# KiCad board tida_010057_imported.kicad_pcb
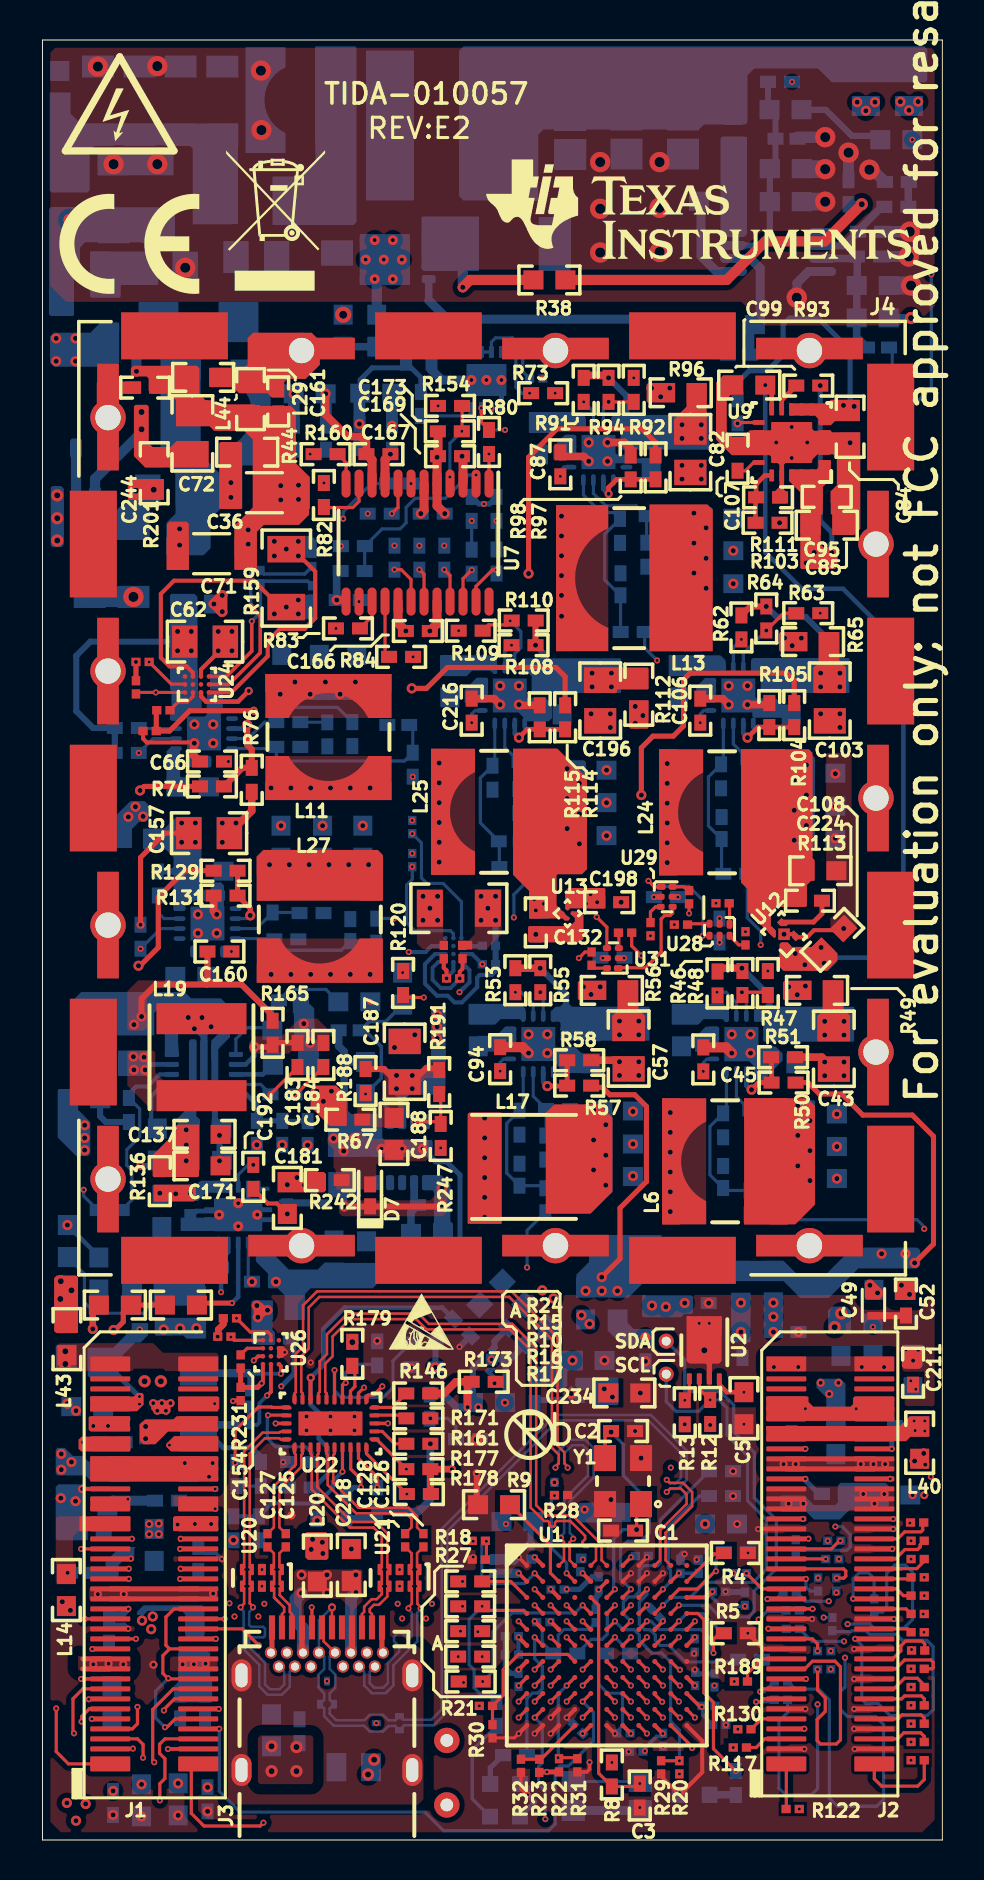
[diagram p0: board, top side]
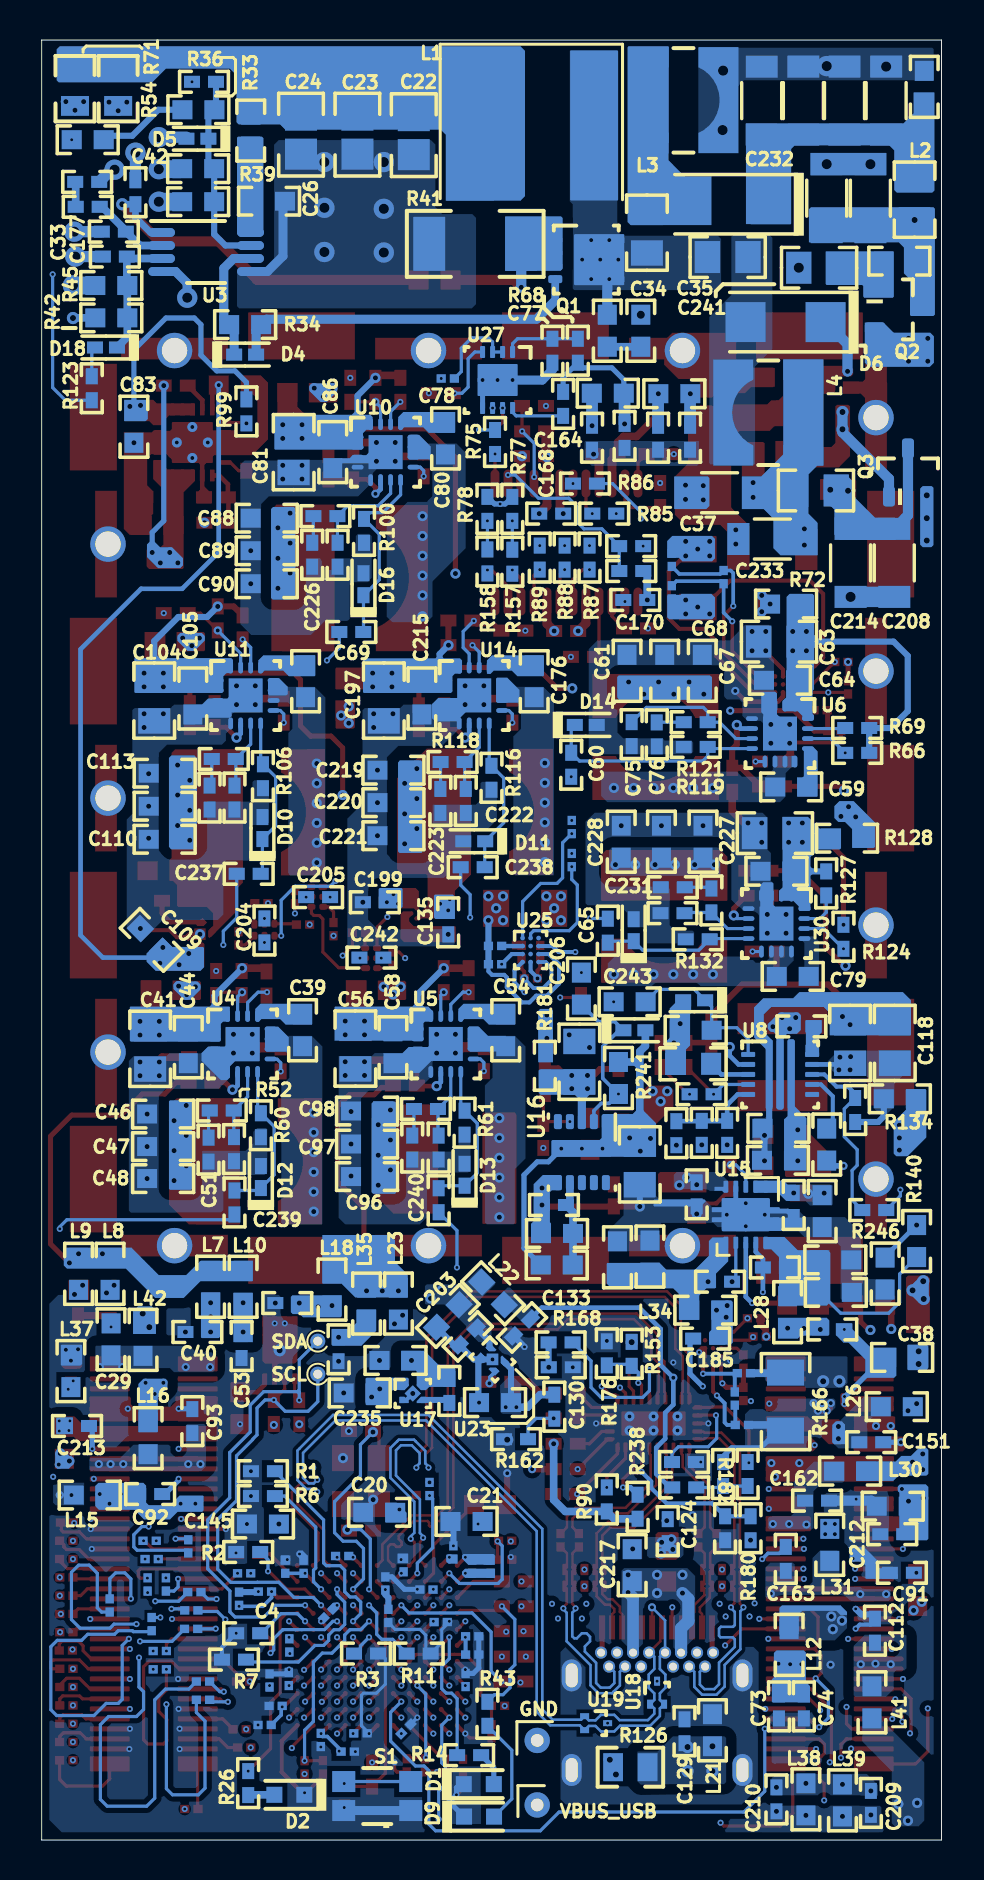
[diagram p1: board, bottom side, seen from below]

Outline 45 x 90 mm; copper layers: Top Layer, GND1, Signal Layer 1, GND2, POWER1, POWER2, GND4, POWER3, GND6, Signal Layer 2, GND7, Bottom Layer. Coordinates in mm from the lower left corner of the outline.
Outline path: 0,90 0,0 45,0 45,90 0,90

## Placement (name value [footprint] x y rotation side)
C1  GRM1555C1H100FA01D  [0402]  29.03 15.47 180 top
C2  GRM1555C1H100FA01D  [0402]  29.03 20.45 0 top
C3  GRM155R61E104KA87D  [0402]  29.87 2.22 270 top
C4  GRM155R61E104KA87D  [0402]  34.67 10.34 0 bottom
C5  GRM188R61C474KA93D  [0603]  35.08 21.59 270 top
C6  C0603X6S1C104K030BC  [0201_033]  33.3 6.71 0 bottom
C7  C0603X6S1C104K030BC  [0201_033]  31.9 13.67 90 bottom
C8  C0603X6S1C104K030BC  [0201_033]  30.66 11.33 135 bottom
C9  C0603X6S1C104K030BC  [0201_033]  23.8 8 90 bottom
C10  C0603X6S1C104K030BC  [0201_033]  25.76 12.52 0 bottom
C11  C0603X6S1C104K030BC  [0201_033]  29.06 5.33 180 bottom
C12  C0603X6S1C104K030BC  [0201_033]  32.61 9.73 270 bottom
C13  C0603X6S1C104K030BC  [0201_033]  26.78 5.55 135 bottom
C14  C0603X6S1C104K030BC  [0201_033]  33.83 12.42 0 bottom
C15  C0603X6S1C104K030BC  [0201_033]  23.47 13.67 90 bottom
C16  C0603X6S1C104K030BC  [0201_033]  25.04 10.9 180 bottom
C17  C0603X6S1C104K030BC  [0201_033]  32.64 8.05 90 bottom
C18  C0603X6S1C104K030BC  [0201_033]  31.04 5 270 bottom
C19  C0603X6S1C104K030BC  [0201_033]  35.13 12.06 90 bottom
C20  C1608X5R0J226M080AC  [0603]  28.12 16.38 180 bottom
C21  C1608X5R0J226M080AC  [0603]  23.75 15.93 180 bottom
C22  GRM21BR61A476ME15  [0805M]  26.39 85.24 270 bottom
C23  GRM21BR61A476ME15  [0805M]  29.21 85.27 270 bottom
C24  08053C104KAT2A  [0805M]  32.03 85.27 270 bottom
C25  CGA4J3X7R1H225K125AB  [0805_HV]  14.73 80.37 270 bottom
C26  GRM188C81E475KE11D  [0603]  33.63 81.94 0 bottom
C27  GRM155R61E104KA87D  [0402]  42.7 81.66 0 bottom
C28  GRM1885C1H271JA01D  [0603]  42.7 85.01 180 bottom
C29  GRM188R72A104KA35J  [0603]  41.53 25.03 90 bottom
C30  C3216X7S2A225K160AB  [1206_180]  8.99 86.97 90 bottom
C31  C3216X7S2A225K160AB  [1206_180]  6.91 86.97 90 bottom
C32  GRM155R61C222KA01D  [0402]  40.31 82.39 90 bottom
C33  885012005061  [0402]  41.34 79.17 0 bottom
C34  GRM1885C2A101JA01D  [0603]  15.04 75.46 90 bottom
C35  CGA4J3X7R1H225K125AB  [0805_HV]  10.69 79.15 0 bottom
C36  C3216X7S2A225K160AB  [1206_180]  11.1 67.36 180 top
C37  C3216X7S2A225K160AB  [1206_180]  11.1 67.36 180 bottom
C38  GRM188R72A104KA35J  [0603]  1.97 24.13 180 bottom
C39  885012206095  [0603]  31.95 40.49 270 bottom
C40  GRM155R61E104KA87D  [0402]  37.21 25.4 180 bottom
C41  GRM219R60J476ME44D  [0805_HV]  39.57 39.56 270 bottom
C42  GRM1885C1H271JA01D  [0603]  37.17 83.57 0 bottom
C43  GRM219R60J476ME44D  [0805_HV]  39.57 39.56 270 top
C44  885012206095  [0603]  37.67 39.64 270 bottom
C45  GRM155R71H272KA01D  [0402]  33.05 39.03 90 top
C46  GRM188R60J476ME15D  [0603]  38.93 36.3 0 bottom
C47  GRM188R60J476ME15D  [0603]  38.93 34.67 0 bottom
C48  885012206095  [0603]  38.93 33.07 0 bottom
C49  GRM155R6YA225ME11D  [0402_070]  41.55 26.72 270 top
C50  GRM155R71H272KA01D  [0402]  35.38 34.54 270 bottom
C51  GRM1555C1E681JA01D  [0402]  36.65 34.52 270 bottom
C52  GRM155R61E104KA87D  [0402]  43.18 26.82 90 top
C53  GRM155R61E104KA87D  [0402]  35 24.7 90 bottom
C54  885012206095  [0603]  21.79 40.49 270 bottom
C55  GRM155R61E104KA87D  [0402]  32.72 26.85 180 bottom
C56  GRM219R60J476ME44D  [0805_HV]  29.31 39.57 270 bottom
C57  GRM219R60J476ME44D  [0805_HV]  29.31 39.57 270 top
C58  885012206095  [0603]  27.43 39.64 270 bottom
C59  885012206095  [0603]  7.52 52.65 0 bottom
C60  0402YC101KAT2A  [0402]  18.52 53.76 90 bottom
C61  885012206095  [0603]  15.72 58.46 90 bottom
C62  GRM219R60J476ME44D  [0805_HV]  8.13 59.92 0 top
C63  GRM219R60J476ME44D  [0805_HV]  8.13 59.92 0 bottom
C64  885012206095  [0603]  8.08 57.99 0 bottom
C65  0402YC101KAT2A  [0402]  16.69 45.47 270 bottom
C66  GRM155R71H272KA01D  [0402]  8.47 53.92 180 top
C67  GRM188R60J476ME15D  [0603]  11.96 58.46 90 bottom
C68  GRM188R60J476ME15D  [0603]  13.84 58.46 90 bottom
C69  0402YC101KAT2A  [0402]  29.51 60.4 180 bottom
C70  C3216X7S2A225K160AB  [1206_180]  2.77 86.97 90 bottom
C71  C3216X7S2A225K160AB  [1206_180]  8.46 64.31 180 top
C72  C2012X7S2A105K125AB  [0805_HV]  7.49 70.33 90 top
C73  CL05A106MP5NUNC  [0402]  8.13 6.68 270 bottom
C74  GRM155R61E104KA87D  [0402]  6.88 6.68 90 bottom
C75  GRM155R71H272KA01D  [0402]  15.49 55.29 270 bottom
C76  GRM1555C1E681JA01D  [0402]  14.24 55.28 270 bottom
C77  C1005X6S1C105K050BC  [0402]  19.46 74.46 270 bottom
C78  GRM033R71C102KA01D  [0201]  24.69 73.08 0 bottom
C79  885012206095  [0603]  7.44 43.18 0 bottom
C80  885012206095  [0603]  24.8 70.08 270 bottom
C81  GRM219R60J476ME44D  [0805_HV]  32.4 69.39 270 bottom
C82  GRM219R60J476ME44D  [0805_HV]  32.4 69.39 270 top
C83  885012206052  [0603]  40.39 70.66 270 bottom
C84  885012206052  [0603]  40.39 70.66 270 top
C85  GRM188R61A475MAAJ  [0603]  39.22 65.74 0 top
C86  885012206095  [0603]  30.44 69.39 270 bottom
C87  GRM155R71H272KA01D  [0402]  25.9 68.78 90 top
C88  GRM188R60J476ME15D  [0603]  33.74 66.09 0 bottom
C89  GRM188R60J476ME15D  [0603]  33.74 64.47 0 bottom
C90  885012206095  [0603]  33.74 62.81 0 bottom
C91  GRM155R61E104KA87D  [0402]  1.98 13.36 180 bottom
C92  GRM155R61E104KA87D  [0402]  39.57 17.3 0 bottom
C93  GRM155R61E104KA87D  [0402]  37.47 20.95 270 bottom
C94  GRM155R71H272KA01D  [0402]  22.89 39.04 90 top
C95  GRM155R61E104KA87D  [0402]  39.22 67.16 180 top
C96  GRM188R60J476ME15D  [0603]  28.73 33.17 0 bottom
C97  GRM188R60J476ME15D  [0603]  28.73 34.8 0 bottom
C98  885012206095  [0603]  28.73 36.45 0 bottom
C99  885012206052  [0603]  35.34 72.75 180 top
C100  GRM155R71H122KA01D  [0402]  25.15 34.62 270 bottom
C101  CL05A106MP5NUNC  [0402]  26.47 34.62 270 bottom
C102  885012206095  [0603]  31.8 57.94 270 bottom
C103  GRM219R60J476ME44D  [0805_HV]  39.37 56.97 270 top
C104  GRM219R60J476ME44D  [0805_HV]  39.37 56.97 270 bottom
C105  885012206095  [0603]  37.44 57.07 270 bottom
C106  GRM155R71H272KA01D  [0402]  32.89 56.47 90 top
C107  GRM1555C1E471JA01D  [0402]  34.76 69.06 90 top
C108  GRM188R61A475MAAJ  [0603]  39.5 45.01 45 top
C109  885012206052  [0603]  39.5 45.01 45 bottom
C110  GRM188R60J476ME15D  [0603]  38.85 50.04 0 bottom
C111  GRM188R60J476ME15D  [0603]  38.85 51.69 0 bottom
C112  GRM155R61E104KA87D  [0402]  3.33 10.46 270 bottom
C113  885012206095  [0603]  38.85 53.34 0 bottom
C114  GRM155R71H272KA01D  [0402]  35.36 52.12 270 bottom
C115  CL05A105KA5NQNC  [0402]  19.04 23.63 180 bottom
C116  GRM155R61E104KA87D  [0402]  7.01 40.68 180 bottom
C117  GRM21BR61A476ME15  [0805_HV]  4.57 39.85 90 bottom
C118  GRM21BR61A476ME15  [0805_HV]  2.34 39.85 90 bottom
C119  GRM188R61A475MAAJ  [0603]  5.74 34.77 270 bottom
C120  GRM188R61C106MAALD  [0603]  8.15 35.59 0 bottom
C121  GRM188R61C106MAALD  [0603]  5.31 29.01 180 bottom
C122  GRM155R61E104KA87D  [0402]  7.39 31.75 270 bottom
C123  GRM155R61E104KA87D  [0402]  30.15 24.54 90 bottom
C124  GRM155R61E104KA87D  [0402]  13.69 15.44 270 bottom
C125  C0603X6S1C104K030BC  [0201_033]  12.17 14.99 90 top
C126  C0603X6S1C104K030BC  [0201_033]  19.05 14.99 270 top
C127  C0603X6S1C104K030BC  [0201_033]  11.25 14.99 90 top
C128  C0603X6S1C104K030BC  [0201_033]  18.14 14.99 270 top
C129  GRM155R61E104KA87D  [0402]  12.85 5.44 270 bottom
C130  GRM155R61E104KA87D  [0402]  19.36 21.67 270 bottom
C131  885012206052  [0603]  22.33 21.87 0 bottom
C132  GRM155R61A106ME11  [0402]  24.67 45.88 270 top
C133  GRM155R61E104KA87D  [0402]  20.98 25.63 315 bottom
C134  GRM188R60J476ME15D  [0603]  8.18 33.99 0 bottom
C135  160R07X104KV4T  [0402_065]  24.67 45.88 270 bottom
C136  C0603X6S1C104K030BC  [0201_033]  20.53 43.08 180 top
C137  GRM188R60J476ME15D  [0603]  8.1 35.28 0 top
C138  GRM033R60J103KA01D  [0201]  33.85 5.75 0 bottom
C139  GRM033R60J103KA01D  [0201]  32.82 13.67 270 bottom
C140  C0603X6S1C104K030BC  [0201_033]  24.41 14.38 90 bottom
C141  C0603X6S1C104K030BC  [0201_033]  26.9 13.74 90 bottom
C142  C0603X6S1C104K030BC  [0201_033]  29.97 14.2 0 bottom
C143  C0603X6S1C104K030BC  [0201_033]  27.66 11.2 270 bottom
C144  GRM033R60J103KA01D  [0201]  27.81 12.83 90 bottom
C145  C1608X5R0J226M080AC  [0603]  33.93 15.8 0 bottom
C146  GRM033R60J103KA01D  [0201]  23.47 10.19 180 bottom
C147  GRM033R60J103KA01D  [0201]  33.6 7.98 90 bottom
C148  GRM033R60J103KA01D  [0201]  29.69 4.42 180 bottom
C149  GRM033R60J103KA01D  [0201]  22.56 13.67 90 bottom
C150  GRM033R60J103KA01D  [0201]  23.47 9.27 180 bottom
C151  GRM155R61E104KA87D  [0402]  3.51 19.89 0 bottom
C152  C0603X6S1C104K030BC  [0201_033]  22.33 43.79 180 bottom
C153  C0603X6S1C104K030BC  [0201_033]  10.34 22.07 90 bottom
C154  C0603X6S1C104K030BC  [0201_033]  9.91 22.3 270 top
C155  C0603X6S1C104K030BC  [0201_033]  5.36 55.45 180 top
C156  C0603X6S1C104K030BC  [0201_033]  10.9 63.14 90 bottom
C157  GRM219R60J476ME44D  [0805_HV]  8.33 50.34 0 top
C158  GRM219R60J476ME44D  [0805_HV]  8.33 50.34 0 bottom
C159  885012206095  [0603]  8.26 48.44 0 bottom
C160  GRM155R71H272KA01D  [0402]  8.85 44.42 180 top
C161  GRM155R61E104KA87D  [0402]  11.79 71.93 270 top
C162  GRM155R61E104KA87D  [0402]  6.22 16.97 0 bottom
C163  GRM155R61E104KA87D  [0402]  7.79 14.06 270 bottom
C164  C1005X6S1C105K050BC  [0402]  17.48 70.11 270 bottom
C165  GRM155R61E104KA87D  [0402]  15.85 70.2 270 bottom
C166  GRM155R61E104KA87D  [0402]  18.77 60.45 0 top
C167  GRM155R61E104KA87D  [0402]  16.8 69.29 0 top
C168  GRM155R61E104KA87D  [0402]  19.52 66.32 0 bottom
C169  GRM155R61E104KA87D  [0402]  20.38 69.19 180 top
C170  GRM155R61E104KA87D  [0402]  15.31 62 0 bottom
C171  GRM188R60J476ME15D  [0603]  8.1 33.71 0 top
C172  GRM155R61E104KA87D  [0402]  14.17 70.11 270 bottom
C173  GRM155R61E104KA87D  [0402]  20.37 70.43 180 top
C174  C1005X6S1C105K050BC  [0402]  12.57 70.11 270 bottom
C175  GRM1555C1E681JA01D  [0402]  36.6 52.12 270 bottom
C176  885012206095  [0603]  20.37 57.94 270 bottom
C177  GRM155R61E104KA87D  [0402]  41.39 80.42 0 bottom
C178  GRM188R61C106MAALD  [0603]  5.97 31.45 270 bottom
C179  885012205031  [0402]  8.33 28.63 180 bottom
C180  GRM155R61E104KA87D  [0402]  5.46 25.53 0 bottom
C181  GRM188R61C106MAALD  [0603]  12.24 32.1 270 top
C182  885012005061  [0402]  11.99 35.36 90 bottom
C183  GRM1555C1H100FA01D  [0402]  12.75 39.25 90 top
C184  0402YD333KAT2A  [0402]  14.05 39.25 90 top
C185  GRM155R61E104KA87D  [0402]  11.82 25.07 0 bottom
C186  885012005061  [0402]  19.38 31.75 0 bottom
C187  885012207026  [0805_HV]  18.11 38.91 90 top
C188  885012206095  [0603]  17.58 35.31 270 top
C189  GRM155R61E104KA87D  [0402]  12.24 32.28 270 bottom
C190  885012205031  [0402]  11.07 27.91 0 bottom
C191  GRM188R61C106MAALD  [0603]  5.28 27.38 180 bottom
C192  885012205031  [0402]  10.54 33.16 90 top
C193  885012207026  [0805_HV]  18.11 38.91 90 bottom
C194  C2012X5R1A336M125AC  [0805_HV]  15.09 33.78 90 bottom
C195  GRM188R61C106MAALD  [0603]  16.21 29.13 270 bottom
C196  GRM219R60J476ME44D  [0805_HV]  27.89 56.97 270 top
C197  GRM219R60J476ME44D  [0805_HV]  27.89 56.97 270 bottom
C198  GRM155R61A106ME11  [0402]  28.34 46.89 0 top
C199  160R07X104KV4T  [0402_065]  28.34 46.89 0 bottom
C200  C3216X7S2A225K160AB  [1206_180]  3.56 82.09 90 bottom
C201  C3216X7S2A225K160AB  [1206_180]  5.74 82.09 90 bottom
C202  GRM155R61E104KA87D  [0402]  23.69 25.18 135 bottom
C203  GRM188R61A475MAAJ  [0603]  24.69 26.2 315 bottom
C204  GRM155R61E104KA87D  [0402]  33.86 45.48 90 bottom
C205  GRM155R61E104KA87D  [0402]  31.18 47.14 180 bottom
C206  885012206048  [0603]  18.01 42.57 90 bottom
C207  GRM188R61C106MAALD  [0603]  14.58 29.17 90 bottom
C208  C3216X7S2A225K160AB  [1206_180]  2.36 63.86 90 bottom
C209  GRM155R61E104KA87D  [0402]  3.53 1.85 90 bottom
C210  GRM155R61E104KA87D  [0402]  8.26 2.03 90 bottom
C211  GRM155R61E104KA87D  [0402]  43.54 23.37 90 top
C212  GRM155R61E104KA87D  [0402]  2.46 15.29 0 bottom
C213  GRM155R61E104KA87D  [0402]  43.23 20.7 0 bottom
C214  C3216X7S2A225K160AB  [1206_180]  4.55 63.86 90 bottom
C215  885012206095  [0603]  25.98 57.07 270 bottom
C216  GRM155R71H272KA01D  [0402]  21.46 56.47 90 top
C217  GRM188R60J476ME15D  [0603]  15.47 13.74 90 bottom
C218  GRM188R60J476ME15D  [0603]  15.44 13.75 90 top
C219  GRM188R60J476ME15D  [0603]  27.41 53.49 0 bottom
C220  GRM188R60J476ME15D  [0603]  27.41 51.87 0 bottom
C221  885012206095  [0603]  27.41 50.22 0 bottom
C222  GRM155R71H182KA01D  [0402]  23.79 51.95 270 bottom
C223  CL05A106MP5NUNC  [0402]  25.06 51.95 270 bottom
C224  885012206052  [0603]  38.9 48.46 0 top
C225  GRM155R71H272KA01D  [0402]  30.2 64.26 270 bottom
C226  GRM1555C1E681JA01D  [0402]  31.47 64.26 270 bottom
C227  GRM188R60J476ME15D  [0603]  11.93 49.92 90 bottom
C228  GRM188R60J476ME15D  [0603]  16.02 49.92 90 bottom
C229  885012206095  [0603]  14.01 49.92 90 bottom
C230  GRM155R71H272KA01D  [0402]  13.45 46.34 0 bottom
C231  GRM1555C1E681JA01D  [0402]  13.44 47.64 0 bottom
C232  C3216X7S2A225K160AB  [1206_180]  4.85 86.97 90 bottom
C233  C3216X7S2A225K160AB  [1206_180]  8.46 65.05 180 bottom
C234  GRM188R61A475MAAJ  [0603]  29.1 22.35 0 top
C235  885012206052  [0603]  29.1 22.35 0 bottom
C236  885012206052  [0603]  27.3 23.98 0 bottom
C237  0402YC101KAT2A  [0402]  34.65 48.31 180 bottom
C238  0402YC101KAT2A  [0402]  23.44 48.64 180 bottom
C239  0402YC101KAT2A  [0402]  35.36 31.88 90 bottom
C240  0402YC101KAT2A  [0402]  25.15 31.99 90 bottom
C241  C2012X7S2A105K125AB  [0805_HV]  6.12 78.61 0 bottom
C242  GRM155R61E104KA87D  [0402]  28.51 44.12 0 bottom
C243  885012206048  [0603]  15.6 41.91 0 bottom
C244  GRM155R61E104KA87D  [0402]  5.13 72.62 0 top
D1  HSMA-C190  [HSMx-C190_Amber]  23.14 2.79 0 bottom
D2  HSMA-C190  [HSMx-C190_Amber]  32.61 2.26 180 bottom
D3  STPS1150A  [SMA]  10.54 81.79 0 bottom
D4  1N4148X-TP  [SOD-523]  34.82 74.27 180 bottom
D5  1N4148X-TP  [SOD-523]  37.21 85.06 0 bottom
D6  STPS1150A  [SMA]  7.8 75.9 0 bottom
D7  1N4148X-TP  [SOD-523]  16.38 32.23 90 top
D8  1N4148X-TP  [SOD-523]  15.36 40.49 180 bottom
D9  HSMA-C190  [HSMx-C190_Amber]  23.13 1.17 0 bottom
D10  1N4148X-TP  [SOD-523]  33.96 50.6 90 bottom
D11  1N4148X-TP  [SOD-523]  23.37 49.94 0 bottom
D12  1N4148X-TP  [SOD-523]  34.04 33.15 90 bottom
D13  1N4148X-TP  [SOD-523]  23.85 33.27 90 bottom
D14  1N4148X-TP  [SOD-523]  17.79 55.75 180 bottom
D15  1N4148X-TP  [SOD-523]  15.39 45.49 90 bottom
D16  1N4148X-TP  [SOD-523]  28.91 62.79 90 bottom
D17  1N4148X-TP  [SOD-523]  12.37 41.99 0 bottom
D18  1N4148X-TP  [SOD-523]  41.78 74.63 0 bottom
GND  TESTPOINT  [TP_50MIL-25MILHOLE]  20.22 4.98 90 bottom
J1  AXK5S80347YG  [Panasonic_AXK5S80347Y]  5.59 13.81 90 top
J2  AXK5S80347YG  [Panasonic_AXK5S80347Y]  39.4 13.81 90 top
J3  632723300011  [Wurth_632_723_300_011]  14.22 0.05 0 top
J4  CBS1.50X1.75  [SHIELD_CBS1P50X1P75]  22.48 52.1 90 top
L1  74404084101  [WE-LQS_8040]  20.47 85.73 180 bottom
L2  CDH3D13SHPNP-100MC  [0805_HV]  1.35 82.02 270 bottom
L3  744043102  [WE-TPC_4828]  12.9 87 0 bottom
L4  744043102  [WE-TPC_4828]  8.66 71.37 0 bottom
L5  CDH3D13SHPNP-100MC  [0805_HV]  6.28 67.48 180 bottom
L6  33 uH, 0.9 A  [WE-TPC_5828]  34.14 33.93 90 top
L7  742792609  [0603]  36.55 27.66 270 bottom
L8  742792609  [0603]  41.58 28.31 270 bottom
L9  782633601  [0603]  43.15 28.31 270 bottom
L10  782633601  [0603]  34.92 27.66 270 bottom
L11  33 uH, 0.9 A  [WE-TPC_5828]  14.3 55.15 180 top
L12  742792609  [0603]  7.62 9.75 270 bottom
L13  2.2 uH, 3.4 A  [WE-TPC_6823]  29.34 63.09 90 top
L14  742792609  [0603]  1.19 12.5 90 top
L15  742792609  [0603]  42.6 17.25 180 bottom
L16  742792609  [0603]  39.67 20.09 270 bottom
L17  6.8 uH, 2.5 A  [WE-LQS_5040]  24.08 33.66 0 top
L18  742792609  [0603]  30.48 27.52 270 bottom
L19  15 uH, 2 A  [WE-LQS_5040]  7.95 39.14 90 top
L20  742792609  [0603]  13.74 13.72 270 top
L21  742792609  [0603]  11.46 5.49 270 bottom
L22  742792609  [0603]  22.43 27.33 225 bottom
L23  782633601  [0603]  27.16 26.82 270 bottom
L24  33 uH, 0.9 A  [WE-TPC_5828]  33.99 51.38 90 top
L25  33 uH, 0.9 A  [WE-TPC_5828]  22.58 51.41 90 top
L26  742792609  [0603]  2.24 21.67 180 bottom
L27  33 uH, 0.9 A  [WE-TPC_5828]  13.87 46.02 180 top
L28  742792609  [0603]  7.7 26.39 270 bottom
L29  742792609  [0603]  10.41 72.05 90 top
L30  742792609  [0603]  4.57 18.44 180 bottom
L31  742792609  [0603]  5.59 14.76 90 bottom
L32  742792609  [0603]  16.69 72.34 180 bottom
L33  742792609  [0603]  13.36 72.31 0 bottom
L34  742792609  [0603]  11.81 26.49 0 bottom
L35  742792609  [0603]  28.75 26.82 270 bottom
L36  742792609  [0603]  2.44 16.69 180 bottom
L37  742792609  [0603]  43.54 23.44 270 bottom
L38  742792609  [0603]  6.78 2.03 270 bottom
L39  742792609  [0603]  4.95 1.98 270 bottom
L40  742792609  [0603]  43.87 19.86 90 top
L41  742792609  [0603]  3.48 6.88 270 bottom
L42  742792609  [0603]  39.93 25.01 270 bottom
L43  742792609  [0603]  1.22 25.04 270 top
L44  742792609  [0603]  8.03 73.13 0 top
Logo1  WEEE logo  [WEEE_Minimum]  11.61 81.84 0 top
Logo2  Pb-Free Symbol  [Pb-Free_Overlay_Small]  24.36 20.27 0 top
Logo3  FCC disclaimer  [FCC_disclaimer]  -34.65 42.01 90 top
LOGO4  CE Mark  [CE_Mark_5mm]  4.34 79.81 0 top
Logo5  Texas Instruments  [TI_Stacked_Overlay_Small]  32.82 81.53 0 top
LOGO6  DANGER HIGH VOLTAGE  [IEC_HighVoltage_Small]  3.86 86.69 0 top
Logo10  ESD Susceptible  [ESD_Overlay_Small]  18.92 25.76 0 top
Q1  CSD19538Q3A  [DNH0008A]  17.76 79.02 180 bottom
Q2  FMMT495TA  [SOT-23]  2.13 76.53 180 bottom
Q3  FMMT596TA  [SOT-23]  1.68 68.38 90 bottom
R1  ERJ-2RKF1002X  [0402]  33.93 18.44 180 bottom
R2  ERJ-2RKF1002X  [0402]  34.67 14.4 180 bottom
R3  ERJ-2RKF1002X  [0402]  28.78 9.32 0 bottom
R4  ERJ-2RKF1002X  [0402]  34.67 14.35 180 top
R5  ERJ-2RKF1002X  [0402]  34.67 10.34 180 top
R6  ERJ-2RKF4701X  [0402]  33.93 17.2 180 bottom
R7  CRCW04026K04FKED  [0402]  35.38 9.02 0 bottom
R8  ERJ-2RKF4701X  [0402]  28.47 3.28 90 top
R9  CRCW0603200RFKEA  [0603]  22.58 16.76 0 top
R10  ERJ-2RKF4701X  [0402]  21.39 10.44 0 top
R11  ERJ-2RKF4701X  [0402]  26.15 9.32 0 bottom
R12  ERJ-2RKF2201X  [0402]  33.39 21.4 270 top
R13  ERJ-2RKF2201X  [0402]  32.12 21.39 270 top
R14  ERJ-2RKF3300X  [0402]  23.62 4.24 180 bottom
R15  ERJ-2GE0R00X  [0402]  21.39 11.68 180 top
R16  ERJ-2GE0R00X  [0402]  21.39 9.17 180 top
R17  ERJ-2GE0R00X  [0402]  21.41 7.92 180 top
R18  RC0201DR-074K7L  [0201]  21.82 14.96 180 top
R19  RC0201DR-074K7L  [0201]  25.6 17.55 90 bottom
R20  RC0201DR-074K7L  [0201]  31.85 3.63 270 top
R21  RC0201DR-074K7L  [0201]  22.17 6.71 180 top
R22  RC0201DR-074K7L  [0201]  25.83 3.73 270 top
R23  RC0201DR-074K7L  [0201]  24.84 3.71 270 top
R24  ERJ-2GE0R00X  [0402]  21.39 12.93 180 top
R25  ERJ-2GE0R00X  [0402]  24.61 22.45 90 bottom
R26  ERJ-2RKF3300X  [0402]  34.67 2.84 270 bottom
R27  RC0201DR-074K7L  [0201]  21.82 14.02 0 top
R28  RC0201DR-074K7L  [0201]  25.93 17.25 180 top
R29  RC0201DR-074K7L  [0201]  30.94 3.63 90 top
R30  RC0201DR-074K7L  [0201]  22.5 5.44 90 top
R31  RC0201DR-074K7L  [0201]  26.75 3.73 90 top
R32  RC0201DR-074K7L  [0201]  23.93 3.71 90 top
R33  RT0603BRD0720RL  [0603]  34.54 85.47 90 bottom
R34  RC0603JR-070RL  [0603]  34.82 75.77 180 bottom
R35  CRCW0603100RJNEA  [0603]  16.71 75.46 90 bottom
R36  RC0603JR-0733KL  [0603]  37.16 86.51 180 bottom
R37  CRCW0603100KJNEAC  [0603]  0.86 87.66 270 bottom
R38  CRCW0603200RFKEA  [0603]  25.35 78 180 top
R39  RC0603FR-0768KL  [0603]  37.17 81.92 180 bottom
R40  ERJ-2RKF4701X  [0402]  42.72 82.91 0 bottom
R41  ERJ-L1DKF50MU  [2010]  23.32 79.81 180 bottom
R42  RT0603BRD07298KL  [0603]  41.52 76.11 0 bottom
R43  ERJ-2RKF3300X  [0402]  22.71 6.31 270 bottom
R44  CRCW0603100KJNEAC  [0603]  10.24 69.39 0 top
R45  RG1608P-4751-B-T5  [0603]  41.52 77.72 180 bottom
R46  CRCW0402100KJNED  [0402]  33.76 42.82 270 top
R47  ERJ-2GE0R00X  [0402]  36.27 42.85 270 top
R48  ERJ-2GE0R00X  [0402]  35 42.85 270 top
R49  RMCF0603ZT0R00  [0603]  38.73 42.48 180 top
R50  ERJ-2RKF4991X  [0402]  37.06 37.87 0 top
R51  RK73H1ETTP1002F  [0402]  37.03 39.14 180 top
R52  CRCW0402130RJNED  [0402]  35.99 36.47 180 bottom
R53  CRCW0402100KJNED  [0402]  23.65 42.99 270 top
R54  -  [5106]  41.17 87.55 90 bottom
R55  ERJ-2GE0R00X  [0402]  24.89 42.99 270 top
R56  RMCF0603ZT0R00  [0603]  28.47 42.48 180 top
R57  CRCW040212K4FKED  [0402]  26.84 37.72 0 top
R58  RK73H1ETTP1002F  [0402]  26.84 38.99 180 top
R59  CRCW0402160RJNED  [0402]  25.78 36.55 180 bottom
R60  CRCW0402383KFKED  [0402]  34.04 35.74 270 bottom
R61  CRCW0402383KFKED  [0402]  23.85 35.86 270 bottom
R62  CRCW0402100KJNED  [0402]  34.95 60.63 270 top
R63  ERJ-2GE0R00X  [0402]  38.29 61.34 180 top
R64  ERJ-2GE0R00X  [0402]  36.2 61.08 270 top
R65  RMCF0603ZT0R00  [0603]  38.53 59.92 180 top
R66  CRCW0402100KJNED  [0402]  4.22 54.36 0 bottom
R67  ERJ-2GE0R00X  [0402]  15.39 36.02 0 top
R68  ERJ-2GE0R00X  [0402]  18.19 74.46 90 bottom
R69  ERJ-2GE0R00X  [0402]  4.22 55.6 0 bottom
R70  ERJ-2GE0R00X  [0402]  18.92 71.81 90 bottom
R71  -  [5106]  43.33 87.55 90 bottom
R72  RMCF0603ZT0R00  [0603]  7.77 61.8 0 bottom
R73  ERJ-2GE0R00X  [0402]  25.03 72.34 180 top
R74  ERJ-2RKF4991X  [0402]  8.47 52.68 180 top
R75  ERJ-2GE0R00X  [0402]  22.33 69.9 90 bottom
R76  RK73H1ETTP1002F  [0402]  10.46 53.01 90 top
R77  ERJ-2RKF1002X  [0402]  21.46 66.56 90 bottom
R78  ERJ-2RKF1002X  [0402]  22.71 66.56 90 bottom
R79  ERJ-2GE0R00X  [0402]  15.51 63.45 180 bottom
R80  ERJ-2GE0R00X  [0402]  22.33 69.9 90 top
R81  ERJ-2GE0R00X  [0402]  15.52 64.69 0 bottom